# Altium PCB kunkun.PcbDoc (part 1 of 8) (continued)
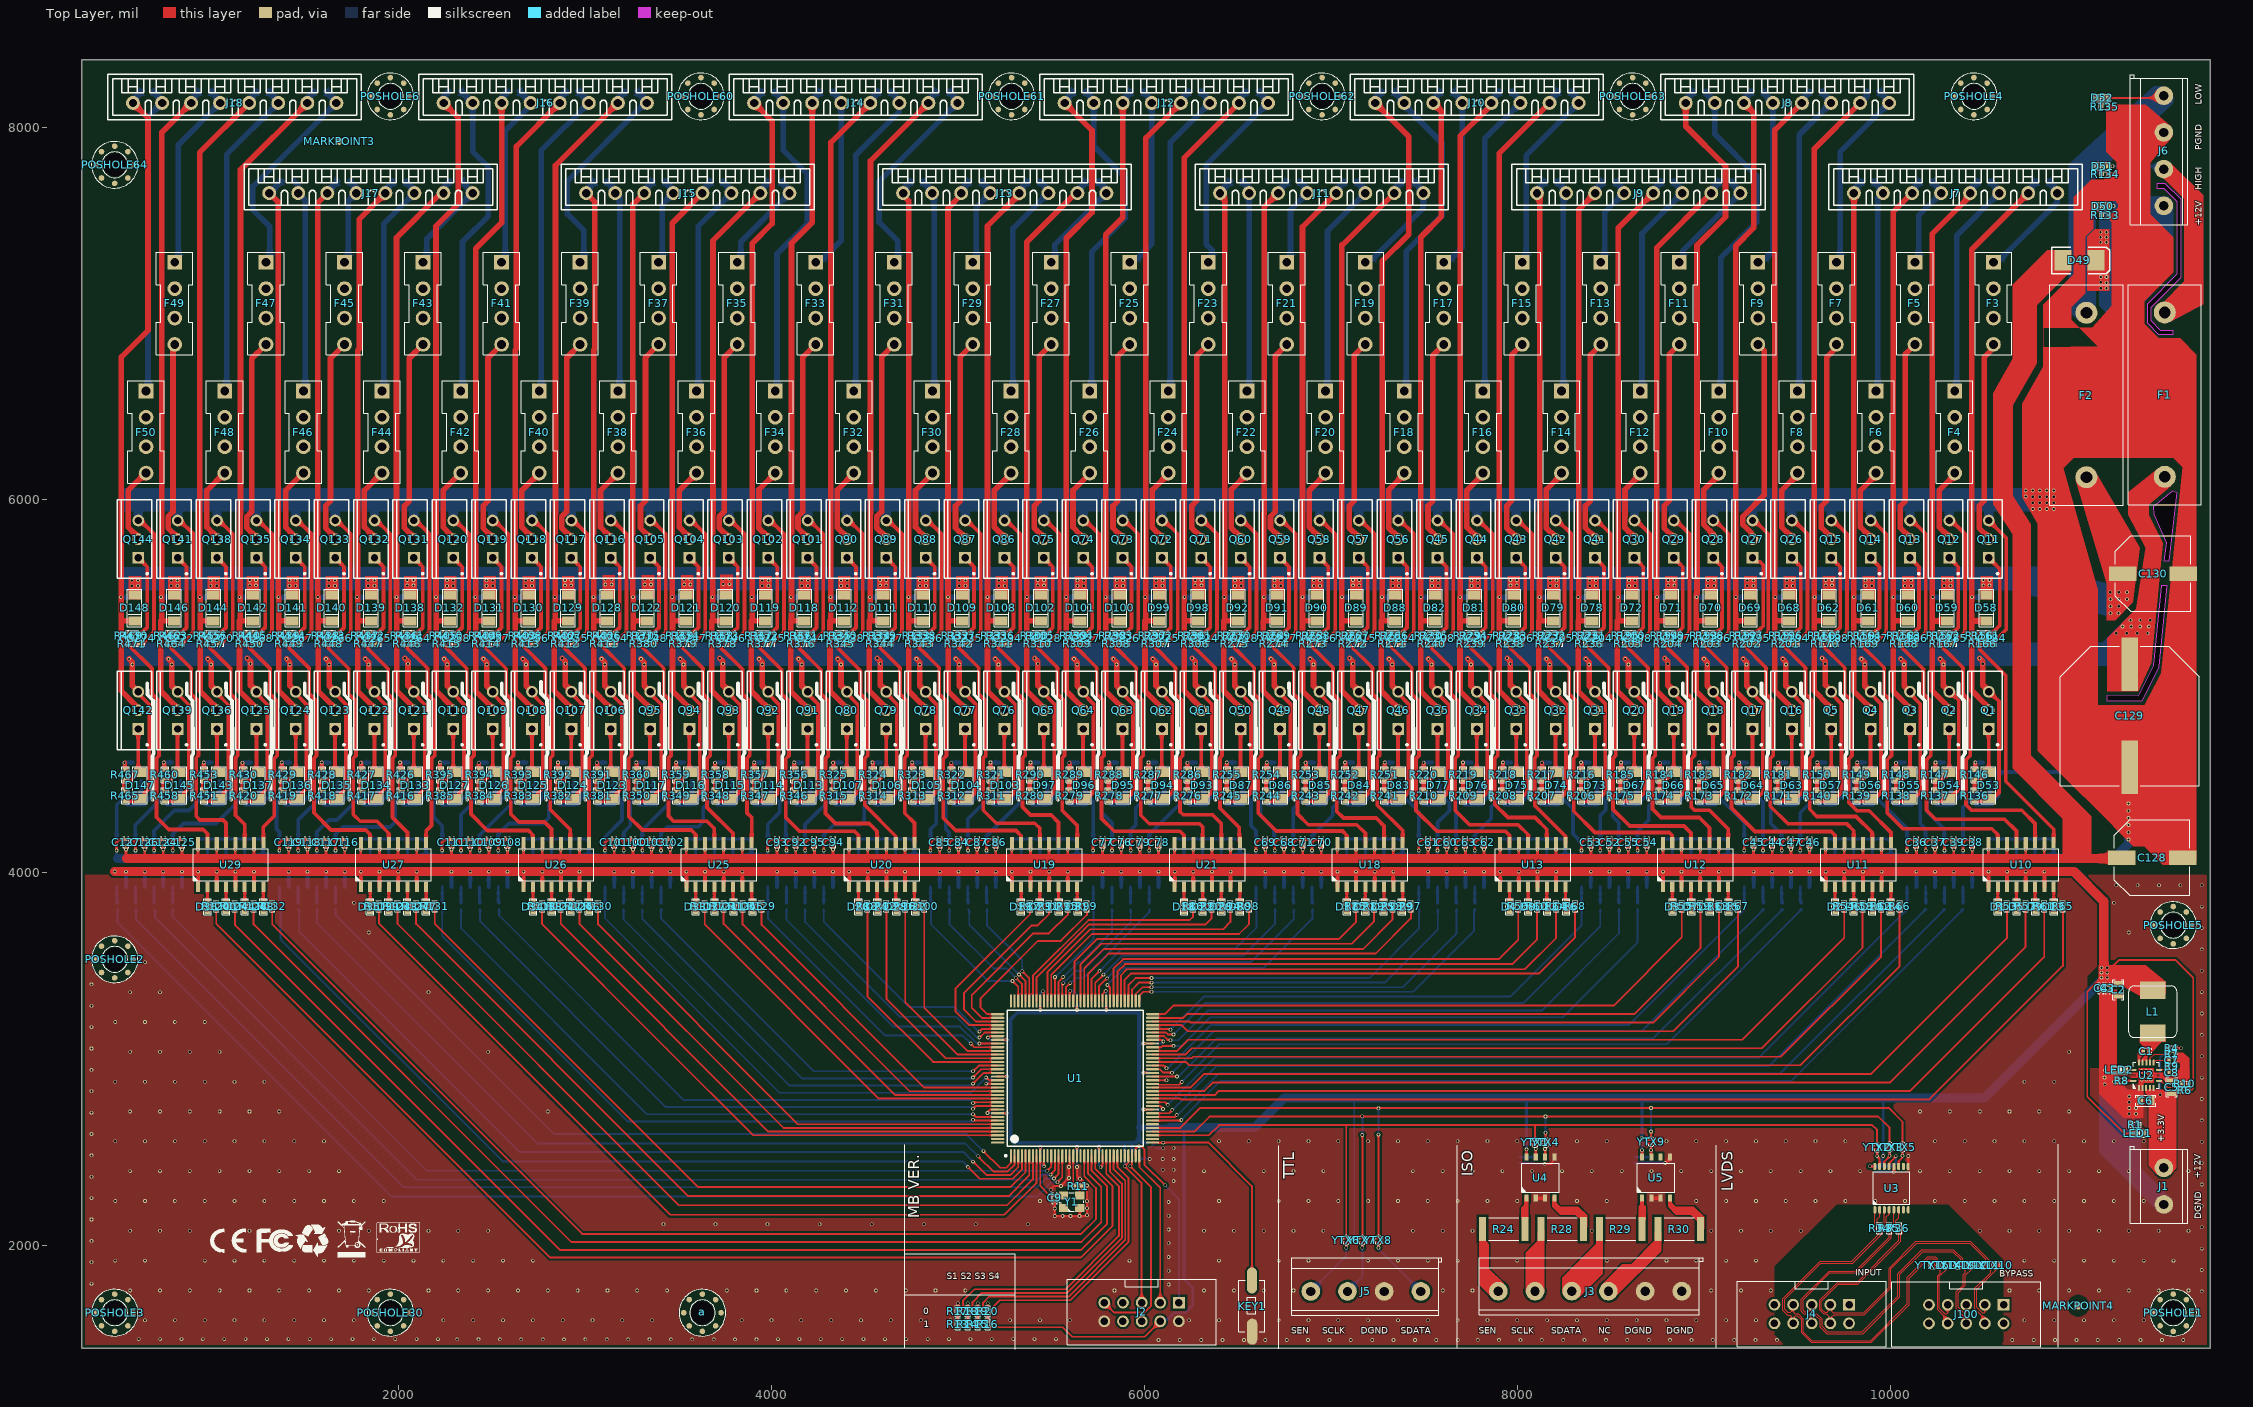
[diagram p0: Top Layer view]
## Components (designator, comment, footprint, x,y, rotation, side; value= is the part's Value field where it differs from the comment) (continued)
C263 "C-NOMO" C0603 1259.44,4394.18 r90 bottom value=1nF
C264 "C-NOMO" C0603 2097.57,5258.89 r90 top value=1nF
C265 "C-NOMO" C0603 1886.3,5258.89 r90 top value=1nF
C266 "C-NOMO" C0603 1675.02,5258.89 r90 top value=1nF
C267 "C-NOMO" C0603 1463.74,5258.89 r90 top value=1nF
C268 "C-NOMO" C0603 1252.47,5258.89 r90 top value=1nF
C269 "C-NOMO" C0603 1048.49,4394.18 r90 bottom value=1nF
C270 "C-NOMO" C0603 1041.19,5258.89 r90 top value=1nF
C271 "C-NOMO" C0603 837.53,4394.18 r90 bottom value=1nF
C272 "C-NOMO" C0603 829.91,5258.89 r90 top value=1nF
C273 "C-NOMO" C0603 626.57,4394.18 r90 bottom value=1nF
C274 "C-NOMO" C0603 618.64,5258.89 r90 top value=1nF
D1 "LED" LED0603 10578.65,3819 r90 top
D2 "LED" LED0603 9705.87,3819 r90 top
D3 "LED" LED0603 8834.25,3819 r90 top
D4 "LED" LED0603 7957.48,3819 r90 top
D5 "LED" LED0603 10678.65,3819 r90 top
D6 "LED" LED0603 9804.87,3819 r90 top
D7 "LED" LED0603 8934.25,3819 r90 top
D8 "LED" LED0603 8059.15,3819 r90 top
D9 "LED" LED0603 10778.65,3819 r90 top
D10 "LED" LED0603 9903.87,3819 r90 top
D11 "LED" LED0603 9034.25,3819 r90 top
D12 "LED" LED0603 8160.81,3819 r90 top
D13 "LED" LED0603 10878.65,3819 r90 top
D14 "LED" LED0603 10002.87,3819 r90 top
D15 "LED" LED0603 9134.25,3819 r90 top
D16 "LED" LED0603 8262.48,3819 r90 top
D17 "LED" LED0603 7086.79,3819 r90 top
D18 "LED" LED0603 6213.44,3819 r90 top
D19 "LED" LED0603 5338.88,3819 r90 top
D20 "LED" LED0603 4466.69,3819 r90 top
D21 "LED" LED0603 7185.12,3819 r90 top
D22 "LED" LED0603 6313.44,3819 r90 top
D23 "LED" LED0603 5440.54,3819 r90 top
D24 "LED" LED0603 4568.35,3819 r90 top
D25 "LED" LED0603 7283.46,3819 r90 top
D26 "LED" LED0603 6413.44,3819 r90 top
D27 "LED" LED0603 5542.21,3819 r90 top
D28 "LED" LED0603 4670.02,3819 r90 top
D29 "LED" LED0603 7381.79,3819 r90 top
D30 "LED" LED0603 6513.44,3819 r90 top
D31 "LED" LED0603 5643.88,3819 r90 top
D32 "LED" LED0603 4771.69,3819 r90 top
D33 "LED" LED0603 3594.03,3819 r90 top
D34 "LED" LED0603 2721.95,3819 r90 top
D35 "LED" LED0603 1846.38,3819 r90 top
D36 "LED" LED0603 974.43,3819 r90 top
D37 "LED" LED0603 3695.7,3819 r90 top
D38 "LED" LED0603 2821.95,3819 r90 top
D39 "LED" LED0603 1946.38,3819 r90 top
D40 "LED" LED0603 1074.43,3819 r90 top
D41 "LED" LED0603 3797.36,3819 r90 top
D42 "LED" LED0603 2921.95,3819 r90 top
D43 "LED" LED0603 2046.38,3819 r90 top
D44 "LED" LED0603 1174.43,3819 r90 top
D45 "LED" LED0603 3899.03,3819 r90 top
D46 "LED" LED0603 3021.95,3819 r90 top
D47 "LED" LED0603 2146.39,3819 r90 top
D48 "LED" LED0603 1274.43,3819 r90 top
D49 "FM4007" FM4007-T(A7) 10865.55,7355.37 r270 top
D50 "LED" LED0603 11139.67,7576.27 r0 top
D51 "LED" LED0603 11139,7790.29 r0 top
D52 "LED" LED0603 11138.17,8156.29 r0 top
D53 "1N4148" 1N4148 10528.1,4469.36 r180 top
D54 "1N4148" 1N4148 10317.16,4469.36 r180 top
D55 "1N4148" 1N4148 10106.22,4469.36 r180 top
D56 "1N4148" 1N4148 9895.27,4469.36 r180 top
D57 "1N4148" 1N4148 9684.33,4469.36 r180 top
D58 "1N4007" 1N4148 10516.73,5421.07 r180 top
D59 "1N4007" 1N4148 10305.4,5421.07 r180 top
D60 "1N4007" 1N4148 10094.07,5421.07 r180 top
D61 "1N4007" 1N4148 9882.74,5421.07 r180 top
D62 "1N4007" 1N4148 9671.41,5421.07 r180 top
D63 "1N4148" 1N4148 9473.39,4469.36 r180 top
D64 "1N4148" 1N4148 9262.45,4469.36 r180 top
D65 "1N4148" 1N4148 9051.51,4469.36 r180 top
D66 "1N4148" 1N4148 8840.57,4469.36 r180 top
D67 "1N4148" 1N4148 8629.63,4469.36 r180 top
D68 "1N4007" 1N4148 9460.08,5421.07 r180 top
D69 "1N4007" 1N4148 9248.75,5421.07 r180 top
D70 "1N4007" 1N4148 9037.42,5421.07 r180 top
D71 "1N4007" 1N4148 8826.08,5421.07 r180 top
D72 "1N4007" 1N4148 8614.75,5421.07 r180 top
D73 "1N4148" 1N4148 8418.69,4469.36 r180 top
D74 "1N4148" 1N4148 8207.74,4469.36 r180 top
D75 "1N4148" 1N4148 7996.8,4469.36 r180 top
D76 "1N4148" 1N4148 7785.86,4469.36 r180 top
D77 "1N4148" 1N4148 7574.92,4469.36 r180 top
D78 "1N4007" 1N4148 8403.42,5421.07 r180 top
D79 "1N4007" 1N4148 8192.09,5421.07 r180 top
D80 "1N4007" 1N4148 7980.76,5421.07 r180 top
D81 "1N4007" 1N4148 7769.43,5421.07 r180 top
D82 "1N4007" 1N4148 7558.1,5421.07 r180 top
D83 "1N4148" 1N4148 7363.98,4469.36 r180 top
D84 "1N4148" 1N4148 7153.04,4469.36 r180 top
D85 "1N4148" 1N4148 6942.1,4469.36 r180 top
D86 "1N4148" 1N4148 6731.15,4469.36 r180 top
D87 "1N4148" 1N4148 6520.21,4469.36 r180 top
D88 "1N4007" 1N4148 7346.77,5421.07 r180 top
D89 "1N4007" 1N4148 7135.44,5421.07 r180 top
D90 "1N4007" 1N4148 6924.1,5421.07 r180 top
D91 "1N4007" 1N4148 6712.77,5421.07 r180 top
D92 "1N4007" 1N4148 6501.44,5421.07 r180 top
D93 "1N4148" 1N4148 6309.27,4469.36 r180 top
D94 "1N4148" 1N4148 6098.33,4469.36 r180 top
D95 "1N4148" 1N4148 5887.39,4469.36 r180 top
D96 "1N4148" 1N4148 5676.45,4469.36 r180 top
D97 "1N4148" 1N4148 5465.51,4469.36 r180 top
D98 "1N4007" 1N4148 6290.11,5421.07 r180 top
D99 "1N4007" 1N4148 6078.78,5421.07 r180 top
D100 "1N4007" 1N4148 5867.45,5421.07 r180 top
D101 "1N4007" 1N4148 5656.12,5421.07 r180 top
D102 "1N4007" 1N4148 5444.79,5421.07 r180 top
D103 "1N4148" 1N4148 5254.56,4469.36 r180 top
D104 "1N4148" 1N4148 5043.62,4469.36 r180 top
D105 "1N4148" 1N4148 4832.68,4469.36 r180 top
D106 "1N4148" 1N4148 4621.74,4469.36 r180 top
D107 "1N4148" 1N4148 4410.8,4469.36 r180 top
D108 "1N4007" 1N4148 5233.46,5421.07 r180 top
D109 "1N4007" 1N4148 5022.13,5421.07 r180 top
D110 "1N4007" 1N4148 4810.8,5421.07 r180 top
D111 "1N4007" 1N4148 4599.46,5421.07 r180 top
D112 "1N4007" 1N4148 4388.13,5421.07 r180 top
D113 "1N4148" 1N4148 4199.86,4469.36 r180 top
D114 "1N4148" 1N4148 3988.92,4469.36 r180 top
D115 "1N4148" 1N4148 3777.97,4469.36 r180 top
D116 "1N4148" 1N4148 3567.03,4469.36 r180 top
D117 "1N4148" 1N4148 3356.09,4469.36 r180 top
D118 "1N4007" 1N4148 4176.8,5421.07 r180 top
D119 "1N4007" 1N4148 3965.47,5421.07 r180 top
D120 "1N4007" 1N4148 3754.14,5421.07 r180 top
D121 "1N4007" 1N4148 3542.81,5421.07 r180 top
D122 "1N4007" 1N4148 3331.48,5421.07 r180 top
D123 "1N4148" 1N4148 3145.15,4469.36 r180 top
D124 "1N4148" 1N4148 2934.21,4469.36 r180 top
D125 "1N4148" 1N4148 2723.27,4469.36 r180 top
D126 "1N4148" 1N4148 2512.33,4469.36 r180 top
D127 "1N4148" 1N4148 2301.38,4469.36 r180 top
D128 "1N4007" 1N4148 3120.15,5421.07 r180 top
D129 "1N4007" 1N4148 2908.82,5421.07 r180 top
D130 "1N4007" 1N4148 2697.49,5421.07 r180 top
D131 "1N4007" 1N4148 2486.15,5421.07 r180 top
D132 "1N4007" 1N4148 2274.82,5421.07 r180 top
D133 "1N4148" 1N4148 2090.44,4469.36 r180 top
D134 "1N4148" 1N4148 1879.5,4469.36 r180 top
D135 "1N4148" 1N4148 1668.56,4469.36 r180 top
D136 "1N4148" 1N4148 1457.62,4469.36 r180 top
D137 "1N4148" 1N4148 1246.68,4469.36 r180 top
D138 "1N4007" 1N4148 2063.49,5421.07 r180 top
D139 "1N4007" 1N4148 1852.16,5421.07 r180 top
D140 "1N4007" 1N4148 1640.83,5421.07 r180 top
D141 "1N4007" 1N4148 1429.5,5421.07 r180 top
D142 "1N4007" 1N4148 1218.17,5421.07 r180 top
D143 "1N4148" 1N4148 1035.74,4469.36 r180 top
D144 "1N4007" 1N4148 1006.84,5421.07 r180 top
D145 "1N4148" 1N4148 824.79,4469.36 r180 top
D146 "1N4007" 1N4148 795.51,5421.07 r180 top
D147 "1N4148" 1N4148 613.85,4469.36 r180 top
D148 "1N4007" 1N4148 584.17,5421.07 r180 top
F1 "F50" F-TH2 11472.87,6565 r270 top
F2 "F50" F-TH2 11052.59,6562.84 r270 top
F3 "F50" F-TH 10553.97,7054.4 r270 top
F4 "F50" F-TH 10346.1,6364.11 r270 top
F5 "F50" F-TH 10132.83,7054.4 r270 top
F6 "F50" F-TH 9924.34,6364.11 r270 top
F7 "F50" F-TH 9711.69,7054.4 r270 top
F8 "F50" F-TH 9502.58,6364.11 r270 top
F9 "F50" F-TH 9290.54,7054.4 r270 top
F10 "F50" F-TH 9080.83,6364.11 r270 top
F11 "F50" F-TH 8869.4,7054.4 r270 top
F12 "F50" F-TH 8659.07,6364.11 r270 top
F13 "F50" F-TH 8448.26,7054.4 r270 top
F14 "F50" F-TH 8237.31,6364.11 r270 top
F15 "F50" F-TH 8027.11,7054.4 r270 top
F16 "F50" F-TH 7815.55,6364.11 r270 top
F17 "F50" F-TH 7605.97,7054.4 r270 top
F18 "F50" F-TH 7393.79,6364.11 r270 top
F19 "F50" F-TH 7184.83,7054.4 r270 top
F20 "F50" F-TH 6972.03,6364.11 r270 top
F21 "F50" F-TH 6763.68,7054.4 r270 top
F22 "F50" F-TH 6550.28,6364.11 r270 top
F23 "F50" F-TH 6342.54,7054.4 r270 top
F24 "F50" F-TH 6128.52,6364.11 r270 top
F25 "F50" F-TH 5921.4,7054.4 r270 top
F26 "F50" F-TH 5706.76,6364.11 r270 top
F27 "F50" F-TH 5500.25,7054.4 r270 top
F28 "F50" F-TH 5285,6364.11 r270 top
F29 "F50" F-TH 5079.11,7054.4 r270 top
F30 "F50" F-TH 4863.24,6364.11 r270 top
F31 "F50" F-TH 4657.97,7054.4 r270 top
F32 "F50" F-TH 4441.49,6364.11 r270 top
F33 "F50" F-TH 4236.83,7054.4 r270 top
F34 "F50" F-TH 4019.73,6364.11 r270 top
F35 "F50" F-TH 3815.68,7054.4 r270 top
F36 "F50" F-TH 3597.97,6364.11 r270 top
F37 "F50" F-TH 3394.54,7054.4 r270 top
F38 "F50" F-TH 3176.21,6364.11 r270 top
F39 "F50" F-TH 2973.4,7054.4 r270 top
F40 "F50" F-TH 2754.45,6364.11 r270 top
F41 "F50" F-TH 2552.25,7054.4 r270 top
F42 "F50" F-TH 2332.69,6364.11 r270 top
F43 "F50" F-TH 2131.11,7054.4 r270 top
F44 "F50" F-TH 1910.94,6364.11 r270 top
F45 "F50" F-TH 1709.97,7054.4 r270 top
F46 "F50" F-TH 1489.18,6364.11 r270 top
F47 "F50" F-TH 1288.82,7054.4 r270 top
F48 "F50" F-TH 1067.42,6364.11 r270 top
F49 "F50" F-TH 799.01,7054.4 r270 top
F50 "F50" F-TH 645.66,6364.11 r270 top
J1 "HDR1X2" KF301-5.0-2P 11468.28,2319.61 r90 top
J2 "HDR2X5" HDR2X5-NJ 5985.24,1644.55 r180 top
J3 "HDR1X6" KF301-5.0-6P 8390.49,1756.03 r0 top
J4 "DIFF" HDR2X5-NJ 9579.47,1633.81 r180 top
J5 "TTL" KF301-5.0-4P 7187.76,1754.83 r0 top
J6 "HDR1X4" KF301-5.0-4P 11468.28,7872.89 r90 top
J7 "HDR1X8" HDR1X8 11148.5,5907.75 r180 top
J8 "HDR1X8" HDR1X8 10246.49,6391.21 r180 top
J9 "HDR1X8" HDR1X8 9448.52,5907.75 r180 top
J10 "HDR1X8" HDR1X8 8580.82,6391.21 r180 top
J11 "HDR1X8" HDR1X8 7748.54,5907.75 r180 top
J12 "HDR1X8" HDR1X8 6915.15,6391.21 r180 top
J13 "HDR1X8" HDR1X8 6048.56,5907.75 r180 top
J14 "HDR1X8" HDR1X8 5249.49,6391.21 r180 top
J15 "HDR1X8" HDR1X8 4348.58,5907.75 r180 top
J16 "HDR1X8" HDR1X8 3583.82,6391.21 r180 top
J17 "HDR1X8" HDR1X8 2648.6,5907.75 r180 top
J18 "HDR1X8" HDR1X8 1918.16,6391.21 r180 top
J100 "DIFF" HDR2X5-NJ 10408.26,1632.89 r180 top
KEY1 "KEY" KEY735SO 6576.12,1676.61 r90 top
L1 "L" FXL0624 11408.72,3255.52 r90 top value=3.3uH
LED1 "LED" LED0603 11329.07,2602.43 r180 top
LED2 "LED" LED0603 11229.91,2942.8 r0 top
MARKPOINT1 "MARKPOINT" MARKPOINT-1.0#1 10796.54,7975.08 r90 bottom
MARKPOINT2 "MARKPOINT" MARKPOINT-1.0#1 781.94,1975.62 r90 bottom
MARKPOINT3 "MARKPOINT" MARKPOINT-1.0#2 1680.86,7924.26 r90 top
MARKPOINT4 "MARKPOINT" MARKPOINT-1.0#2 11008.89,1677.8 r90 top
POSHOLE1 "POSHOLE" POSHOLE-3.2 11518.47,1640.57 r90 top
POSHOLE2 "POSHOLE" POSHOLE-3.2 477.12,3536.24 r90 top
POSHOLE3 "POSHOLE" POSHOLE-3.2 477.12,1640.57 r90 top
POSHOLE4 "POSHOLE" POSHOLE-3.2 10449.45,8165 r90 top
POSHOLE5 "POSHOLE" POSHOLE-3.2 11518.47,3719.29 r90 top
POSHOLE6 "POSHOLE" POSHOLE-3.2 1956.19,8165 r90 top
POSHOLE30 "POSHOLE" POSHOLE-3.2 1956.19,1640.57 r90 top (schematic designator POSHOLE3)
POSHOLE60 "POSHOLE" POSHOLE-3.2 3621.86,8165 r90 top (schematic designator POSHOLE6)
POSHOLE61 "POSHOLE" POSHOLE-3.2 5287.52,8165 r90 top (schematic designator POSHOLE6)
POSHOLE62 "POSHOLE" POSHOLE-3.2 6953.19,8165 r90 top (schematic designator POSHOLE6)
POSHOLE63 "POSHOLE" POSHOLE-3.2 8618.85,8165 r90 top (schematic designator POSHOLE6)
POSHOLE64 "POSHOLE" POSHOLE-3.2 477.12,7797.62 r90 top (schematic designator POSHOLE6)
Q1 "IRF9640" TO-220AB 10528.84,4871.57 r90 top
Q2 "IRF9640" TO-220AB 10317.67,4871.57 r90 top
Q3 "IRF9640" TO-220AB 10106.5,4871.57 r90 top
Q4 "IRF9640" TO-220AB 9895.33,4871.57 r90 top
Q5 "IRF9640" TO-220AB 9684.16,4871.57 r90 top
Q6 "ZVN3320F" ZVN3320F 10537,4493.59 r180 bottom
Q7 "ZVN3320F" ZVN3320F 10326,4493.59 r180 bottom
Q8 "ZVN3320F" ZVN3320F 10115,4493.59 r180 bottom
Q9 "ZVN3320F" ZVN3320F 9904,4493.59 r180 bottom
Q10 "ZVN3320F" ZVN3320F 9693,4493.59 r180 bottom
Q11 "IRF640N" TO-220AB 10528.84,5789.64 r90 top
Q12 "IRF640N" TO-220AB 10317.67,5789.64 r90 top
Q13 "IRF640N" TO-220AB 10106.5,5789.64 r90 top
Q14 "IRF640N" TO-220AB 9895.33,5789.64 r90 top
Q15 "IRF640N" TO-220AB 9684.16,5789.64 r90 top
Q16 "IRF9640" TO-220AB 9472.99,4871.57 r90 top
Q17 "IRF9640" TO-220AB 9261.82,4871.57 r90 top
Q18 "IRF9640" TO-220AB 9050.65,4871.57 r90 top
Q19 "IRF9640" TO-220AB 8839.48,4871.57 r90 top
Q20 "IRF9640" TO-220AB 8628.31,4871.57 r90 top
Q21 "ZVN3320F" ZVN3320F 9482,4493.59 r180 bottom
Q22 "ZVN3320F" ZVN3320F 9271,4493.59 r180 bottom
Q23 "ZVN3320F" ZVN3320F 9060,4493.59 r180 bottom
Q24 "ZVN3320F" ZVN3320F 8849,4493.59 r180 bottom
Q25 "ZVN3320F" ZVN3320F 8638,4493.59 r180 bottom
Q26 "IRF640N" TO-220AB 9472.99,5789.64 r90 top
Q27 "IRF640N" TO-220AB 9261.82,5789.64 r90 top
Q28 "IRF640N" TO-220AB 9050.65,5789.64 r90 top
Q29 "IRF640N" TO-220AB 8839.48,5789.64 r90 top
Q30 "IRF640N" TO-220AB 8628.31,5789.64 r90 top
Q31 "IRF9640" TO-220AB 8417.14,4871.57 r90 top
Q32 "IRF9640" TO-220AB 8205.97,4871.57 r90 top
Q33 "IRF9640" TO-220AB 7994.8,4871.57 r90 top
Q34 "IRF9640" TO-220AB 7783.63,4871.57 r90 top
Q35 "IRF9640" TO-220AB 7572.46,4871.57 r90 top
Q36 "ZVN3320F" ZVN3320F 8427,4493.59 r180 bottom
Q37 "ZVN3320F" ZVN3320F 8216,4493.59 r180 bottom
Q38 "ZVN3320F" ZVN3320F 8005,4493.59 r180 bottom
Q39 "ZVN3320F" ZVN3320F 7794,4493.59 r180 bottom
Q40 "ZVN3320F" ZVN3320F 7583,4493.59 r180 bottom
Q41 "IRF640N" TO-220AB 8417.14,5789.64 r90 top
Q42 "IRF640N" TO-220AB 8205.97,5789.64 r90 top
Q43 "IRF640N" TO-220AB 7994.8,5789.64 r90 top
Q44 "IRF640N" TO-220AB 7783.63,5789.64 r90 top
Q45 "IRF640N" TO-220AB 7572.46,5789.64 r90 top
Q46 "IRF9640" TO-220AB 7361.29,4871.57 r90 top
Q47 "IRF9640" TO-220AB 7150.12,4871.57 r90 top
Q48 "IRF9640" TO-220AB 6938.95,4871.57 r90 top
Q49 "IRF9640" TO-220AB 6727.78,4871.57 r90 top
Q50 "IRF9640" TO-220AB 6516.61,4871.57 r90 top
Q51 "ZVN3320F" ZVN3320F 7372,4493.59 r180 bottom
Q52 "ZVN3320F" ZVN3320F 7161,4493.59 r180 bottom
Q53 "ZVN3320F" ZVN3320F 6950,4493.59 r180 bottom
Q54 "ZVN3320F" ZVN3320F 6739,4493.59 r180 bottom
Q55 "ZVN3320F" ZVN3320F 6528,4493.59 r180 bottom
Q56 "IRF640N" TO-220AB 7361.29,5789.64 r90 top
Q57 "IRF640N" TO-220AB 7150.12,5789.64 r90 top
Q58 "IRF640N" TO-220AB 6938.95,5789.64 r90 top
Q59 "IRF640N" TO-220AB 6727.78,5789.64 r90 top
Q60 "IRF640N" TO-220AB 6516.61,5789.64 r90 top
Q61 "IRF9640" TO-220AB 6305.44,4871.57 r90 top
Q62 "IRF9640" TO-220AB 6094.27,4871.57 r90 top
Q63 "IRF9640" TO-220AB 5883.1,4871.57 r90 top
Q64 "IRF9640" TO-220AB 5671.93,4871.57 r90 top
Q65 "IRF9640" TO-220AB 5460.76,4871.57 r90 top
Q66 "ZVN3320F" ZVN3320F 6317,4493.59 r180 bottom
Q67 "ZVN3320F" ZVN3320F 6106,4493.59 r180 bottom
Q68 "ZVN3320F" ZVN3320F 5895,4493.59 r180 bottom
Q69 "ZVN3320F" ZVN3320F 5684,4493.59 r180 bottom
Q70 "ZVN3320F" ZVN3320F 5473,4493.59 r180 bottom
Q71 "IRF640N" TO-220AB 6305.44,5789.64 r90 top
Q72 "IRF640N" TO-220AB 6094.27,5789.64 r90 top
Q73 "IRF640N" TO-220AB 5883.1,5789.64 r90 top
Q74 "IRF640N" TO-220AB 5671.93,5789.64 r90 top
Q75 "IRF640N" TO-220AB 5460.76,5789.64 r90 top
Q76 "IRF9640" TO-220AB 5249.59,4871.57 r90 top
Q77 "IRF9640" TO-220AB 5038.42,4871.57 r90 top
Q78 "IRF9640" TO-220AB 4827.25,4871.57 r90 top
Q79 "IRF9640" TO-220AB 4616.08,4871.57 r90 top
Q80 "IRF9640" TO-220AB 4404.91,4871.57 r90 top
Q81 "ZVN3320F" ZVN3320F 5262,4493.59 r180 bottom
Q82 "ZVN3320F" ZVN3320F 5051,4493.59 r180 bottom
Q83 "ZVN3320F" ZVN3320F 4840,4493.59 r180 bottom
Q84 "ZVN3320F" ZVN3320F 4629,4493.59 r180 bottom
Q85 "ZVN3320F" ZVN3320F 4418,4493.59 r180 bottom
Q86 "IRF640N" TO-220AB 5249.59,5789.64 r90 top
Q87 "IRF640N" TO-220AB 5038.42,5789.64 r90 top
Q88 "IRF640N" TO-220AB 4827.25,5789.64 r90 top
Q89 "IRF640N" TO-220AB 4616.08,5789.64 r90 top
Q90 "IRF640N" TO-220AB 4404.91,5789.64 r90 top
Q91 "IRF9640" TO-220AB 4193.74,4871.57 r90 top
Q92 "IRF9640" TO-220AB 3982.57,4871.57 r90 top
Q93 "IRF9640" TO-220AB 3771.4,4871.57 r90 top
Q94 "IRF9640" TO-220AB 3560.23,4871.57 r90 top
Q95 "IRF9640" TO-220AB 3349.05,4871.57 r90 top
Q96 "ZVN3320F" ZVN3320F 4207,4493.59 r180 bottom
Q97 "ZVN3320F" ZVN3320F 3996,4493.59 r180 bottom
Q98 "ZVN3320F" ZVN3320F 3785,4493.59 r180 bottom
Q99 "ZVN3320F" ZVN3320F 3574,4493.59 r180 bottom
Q100 "ZVN3320F" ZVN3320F 3363,4493.59 r180 bottom
Q101 "IRF640N" TO-220AB 4193.74,5789.64 r90 top
Q102 "IRF640N" TO-220AB 3982.57,5789.64 r90 top
Q103 "IRF640N" TO-220AB 3771.4,5789.64 r90 top
Q104 "IRF640N" TO-220AB 3560.23,5789.64 r90 top
Q105 "IRF640N" TO-220AB 3349.05,5789.64 r90 top
Q106 "IRF9640" TO-220AB 3137.88,4871.57 r90 top
Q107 "IRF9640" TO-220AB 2926.71,4871.57 r90 top
Q108 "IRF9640" TO-220AB 2715.54,4871.57 r90 top
Q109 "IRF9640" TO-220AB 2504.37,4871.57 r90 top
Q110 "IRF9640" TO-220AB 2293.2,4871.57 r90 top
Q111 "ZVN3320F" ZVN3320F 3152,4493.59 r180 bottom
Q112 "ZVN3320F" ZVN3320F 2941,4493.59 r180 bottom
Q113 "ZVN3320F" ZVN3320F 2730,4493.59 r180 bottom
Q114 "ZVN3320F" ZVN3320F 2519,4493.59 r180 bottom
Q115 "ZVN3320F" ZVN3320F 2308,4493.59 r180 bottom
Q116 "IRF640N" TO-220AB 3137.88,5789.64 r90 top
Q117 "IRF640N" TO-220AB 2926.71,5789.64 r90 top
Q118 "IRF640N" TO-220AB 2715.54,5789.64 r90 top
Q119 "IRF640N" TO-220AB 2504.37,5789.64 r90 top
Q120 "IRF640N" TO-220AB 2293.2,5789.64 r90 top
Q121 "IRF9640" TO-220AB 2082.03,4871.57 r90 top
Q122 "IRF9640" TO-220AB 1870.86,4871.57 r90 top
Q123 "IRF9640" TO-220AB 1659.69,4871.57 r90 top
Q124 "IRF9640" TO-220AB 1448.52,4871.57 r90 top
Q125 "IRF9640" TO-220AB 1237.35,4871.57 r90 top
Q126 "ZVN3320F" ZVN3320F 2097,4493.59 r180 bottom
Q127 "ZVN3320F" ZVN3320F 1886,4493.59 r180 bottom
Q128 "ZVN3320F" ZVN3320F 1675,4493.59 r180 bottom
Q129 "ZVN3320F" ZVN3320F 1464,4493.59 r180 bottom
Q130 "ZVN3320F" ZVN3320F 1253,4493.59 r180 bottom
Q131 "IRF640N" TO-220AB 2082.03,5789.64 r90 top
Q132 "IRF640N" TO-220AB 1870.86,5789.64 r90 top
Q133 "IRF640N" TO-220AB 1659.69,5789.64 r90 top
Q134 "IRF640N" TO-220AB 1448.52,5789.64 r90 top
Q135 "IRF640N" TO-220AB 1237.35,5789.64 r90 top
Q136 "IRF9640" TO-220AB 1026.18,4871.57 r90 top
Q137 "ZVN3320F" ZVN3320F 1042,4493.59 r180 bottom
Q138 "IRF640N" TO-220AB 1026.18,5789.64 r90 top
Q139 "IRF9640" TO-220AB 815.01,4871.57 r90 top
Q140 "ZVN3320F" ZVN3320F 831,4493.59 r180 bottom
Q141 "IRF640N" TO-220AB 815.01,5789.64 r90 top
Q142 "IRF9640" TO-220AB 603.84,4871.57 r90 top
Q143 "ZVN3320F" ZVN3320F 620,4493.59 r180 bottom
Q144 "IRF640N" TO-220AB 603.84,5789.64 r90 top
R1 "R" R0402 11315.9,2649.6 r180 top value=1K
R2 "R" R0402 5894.24,2482.2 r90 bottom value=1K
R3 "R" R0402 5933.61,2482.2 r90 bottom value=1K
R4 "R" R0402 11510.83,3059.26 r0 top value=35.7K
R5 "R" R0402 5972.98,2482.2 r90 bottom value=1K
R6 "R" R0402 11579,2835.02 r0 top value=31.6K
R7 "R" R0402 11510.83,3026.67 r180 top value=8.06K
R8 "R" R0402 11242.2,2884.56 r0 top value=100K
R9 "R" R0402 11510.83,2961.49 r180 top value=1.69K
R10 "R" R0402 11579,2867.61 r180 top value=10K
R11 "R" R0402 5645.07,2319.91 r180 top value=22R
R12 "R" R0402 6043.84,2553.07 r180 bottom value=1K
R13 "R" R0402 4999.38,1578.14 r270 top value=1K
R14 "R" R0402 5052.92,1578.14 r270 top value=1K
R15 "R" R0402 5106.47,1578.14 r270 top value=1K
R16 "R" R0402 5160.01,1578.14 r270 top value=1K
R17 "R" R0402 4999.38,1648.57 r270 top value=1K
R18 "R" R0402 5052.92,1648.57 r270 top value=1K
R19 "R" R0402 5106.47,1648.57 r270 top value=1K
R20 "R" R0402 5160.01,1648.57 r270 top value=1K
R21 "R" R0402 8095.29,2553.85 r90 bottom value=1K
R22 "R" R0402 8151.79,2553.85 r90 bottom value=1K
R23 "R" R0402 8717.35,2562.47 r90 bottom value=1K
R24 "R" R2512 7927.35,2089.56 r0 top value=2.4K
R25 "R" R0402 9929.93,2528.29 r90 bottom value=1K
R26 "R" R0402 9997.02,2529.35 r90 bottom value=1K
R27 "R" R0402 10066.17,2529.34 r90 bottom value=1K
R28 "R" R2512 8241.38,2089.56 r0 top value=2.4K
R29 "R" R2512 8555.42,2089.56 r0 top value=2.4K
R30 "R" R2512 8869.45,2089.56 r0 top value=2.4K
R31 "R" R0402 7082.72,2029.91 r90 bottom value=1K
R32 "R" R0402 7168.99,2029.91 r90 bottom value=1K
R33 "R" R0402 7255.27,2029.91 r90 bottom value=1K
R34 "R" R0402 9943.15,2094.68 r90 top value=1K
R35 "R" R0402 9995.21,2094.68 r270 top value=1K
R36 "R" R0402 10047.27,2094.68 r90 top value=1K
R37 "R" R0402 10391.87,3821.05 r90 bottom value=100R
R38 "R" R0402 9525.32,3821.05 r90 bottom value=100R
R39 "R" R0402 8645.26,3821.05 r90 bottom value=100R
R40 "R" R0402 7773.44,3821.05 r90 bottom value=100R
R41 "R" R0402 10291.87,3821.05 r90 bottom value=100R
R42 "R" R0402 9423.66,3821.05 r90 bottom value=100R
R43 "R" R0402 8545.26,3821.05 r90 bottom value=100R
R44 "R" R0402 7673.44,3821.05 r90 bottom value=100R
R45 "R" R0402 10191.87,3821.05 r90 bottom value=100R
R46 "R" R0402 9321.99,3821.05 r90 bottom value=100R
R47 "R" R0402 8445.26,3821.05 r90 bottom value=100R
R48 "R" R0402 7573.44,3821.05 r90 bottom value=100R
R49 "R" R0402 10091.87,3821.05 r90 bottom value=100R
R50 "R" R0402 9220.32,3821.05 r90 bottom value=100R
R51 "R" R0402 8345.26,3821.05 r90 bottom value=100R
R52 "R" R0402 7473.44,3821.05 r90 bottom value=100R
R53 "R" R0402 10626.3,3819.85 r90 top value=100R
R54 "R" R0402 9753.51,3819.85 r90 top value=100R
R55 "R" R0402 8881.89,3819.85 r90 top value=100R
R56 "R" R0402 8005.12,3819.85 r90 top value=100R
R57 "R" R0402 10726.3,3819.85 r90 top value=100R
R58 "R" R0402 9852.51,3819.85 r90 top value=100R
R59 "R" R0402 8981.89,3819.85 r90 top value=100R
R60 "R" R0402 8106.79,3819.85 r90 top value=100R
R61 "R" R0402 10826.3,3819.85 r90 top value=100R
R62 "R" R0402 9951.51,3819.85 r90 top value=100R
R63 "R" R0402 9081.89,3819.85 r90 top value=100R
R64 "R" R0402 8208.12,3819.85 r90 top value=100R
R65 "R" R0402 10926.3,3819.85 r90 top value=100R
R66 "R" R0402 10050.51,3819.85 r90 top value=100R
R67 "R" R0402 9184.14,3819.85 r90 top value=100R
R68 "R" R0402 8310.12,3819.85 r90 top value=100R
R69 "R" R0402 6901.29,3821.05 r90 bottom value=100R
R70 "R" R0402 6026.59,3821.05 r90 bottom value=100R
R71 "R" R0402 5155.57,3821.05 r90 bottom value=100R
R72 "R" R0402 4280.44,3821.05 r90 bottom value=100R
R73 "R" R0402 6801.29,3821.05 r90 bottom value=100R
R74 "R" R0402 5926.59,3821.05 r90 bottom value=100R
R75 "R" R0402 5055.57,3821.05 r90 bottom value=100R
R76 "R" R0402 4180.44,3821.05 r90 bottom value=100R
R77 "R" R0402 6701.29,3821.05 r90 bottom value=100R
R78 "R" R0402 5826.59,3821.05 r90 bottom value=100R
R79 "R" R0402 4955.57,3821.05 r90 bottom value=100R
R80 "R" R0402 4080.44,3821.05 r90 bottom value=100R
R81 "R" R0402 6601.29,3821.05 r90 bottom value=100R
R82 "R" R0402 5727.56,3821.05 r90 bottom value=100R
R83 "R" R0402 4855.57,3821.05 r90 bottom value=100R
R84 "R" R0402 3980.44,3821.05 r90 bottom value=100R
R85 "R" R0402 7134.43,3819.85 r90 top value=100R
R86 "R" R0402 6261.08,3819.85 r90 top value=100R
R87 "R" R0402 5386.52,3819.85 r90 top value=100R
R88 "R" R0402 4514.33,3819.85 r90 top value=100R
R89 "R" R0402 7232.43,3819.85 r90 top value=100R
R90 "R" R0402 6360.82,3819.85 r90 top value=100R
R91 "R" R0402 5488.52,3819.85 r90 top value=100R
R92 "R" R0402 4616,3819.85 r90 top value=100R
R93 "R" R0402 7331.43,3819.85 r90 top value=100R
R94 "R" R0402 6461.08,3819.85 r90 top value=100R
R95 "R" R0402 5589.52,3819.85 r90 top value=100R
R96 "R" R0402 4717.66,3819.85 r90 top value=100R
R97 "R" R0402 7429.43,3819.85 r90 top value=100R
R98 "R" R0402 6561.08,3819.85 r90 top value=100R
R99 "R" R0402 5691.52,3819.85 r90 top value=100R
R100 "R" R0402 4819.33,3819.85 r90 top value=100R
R101 "R" R0402 3406.98,3821.05 r90 bottom value=100R
R102 "R" R0402 2538.9,3821.05 r90 bottom value=100R
R103 "R" R0402 1662.29,3821.05 r90 bottom value=100R
R104 "R" R0402 787.5,3821.05 r90 bottom value=100R
R105 "R" R0402 3306.98,3821.05 r90 bottom value=100R
R106 "R" R0402 2437.23,3821.05 r90 bottom value=100R
R107 "R" R0402 1562.29,3821.05 r90 bottom value=100R
R108 "R" R0402 689.16,3821.05 r90 bottom value=100R
R109 "R" R0402 3206.98,3821.05 r90 bottom value=100R
R110 "R" R0402 2335.57,3821.05 r90 bottom value=100R
R111 "R" R0402 1462.29,3821.05 r90 bottom value=100R
R112 "R" R0402 590.83,3821.05 r90 bottom value=100R
R113 "R" R0402 3106.98,3821.05 r90 bottom value=100R
R114 "R" R0402 2233.9,3821.05 r90 bottom value=100R
R115 "R" R0402 1362.29,3821.05 r90 bottom value=100R
R116 "R" R0402 492.5,3821.05 r90 bottom value=100R
R117 "R" R0402 3641.67,3819.85 r90 top value=100R
R118 "R" R0402 2769.59,3819.85 r90 top value=100R
R119 "R" R0402 1894.03,3819.85 r90 top value=100R
R120 "R" R0402 1022.07,3819.85 r90 top value=100R
R121 "R" R0402 3743.34,3819.85 r90 top value=100R
R122 "R" R0402 2869.59,3819.85 r90 top value=100R
R123 "R" R0402 1994.03,3819.85 r90 top value=100R
R124 "R" R0402 1122.07,3819.85 r90 top value=100R
R125 "R" R0402 3845.01,3819.85 r90 top value=100R
R126 "R" R0402 2969.59,3819.85 r90 top value=100R
R127 "R" R0402 2094.03,3819.85 r90 top value=100R
R128 "R" R0402 1222.07,3819.85 r90 top value=100R
R129 "R" R0402 3946.67,3819.85 r90 top value=100R
R130 "R" R0402 3069.59,3819.85 r90 top value=100R
R131 "R" R0402 2194.03,3819.85 r90 top value=100R
R132 "R" R0402 1322.07,3819.85 r90 top value=100R
R133 "R" R0402 11153.45,7525.77 r0 top value=4.7K
R134 "R" R0402 11152.56,7745.9 r0 top value=10K
R135 "R" R0402 11151.21,8110.28 r0 top value=10K
R136 "R" R0603 10453.87,4412.67 r270 top value=33K
R137 "R" R0603 10242.83,4412.67 r270 top value=33K
R138 "R" R0603 10031.79,4412.67 r270 top value=33K
R139 "R" R0603 9820.75,4412.67 r270 top value=33K
R140 "R" R0603 9609.72,4412.67 r270 top value=33K
R141 "R" R2512 10518.56,5364.81 r270 bottom value=47K
R142 "R" R2512 10307.3,5364.81 r270 bottom value=47K
R143 "R" R2512 10096.04,5364.81 r270 bottom value=47K
R144 "R" R2512 9884.77,5364.81 r270 bottom value=47K
R145 "R" R2512 9673.51,5364.81 r270 bottom value=47K
R146 "R" R0603 10453.79,4526.32 r90 top value=100K
R147 "R" R0603 10242.76,4526.32 r90 top value=100K
R148 "R" R0603 10031.72,4526.32 r90 top value=100K
R149 "R" R0603 9820.68,4526.32 r90 top value=100K
R150 "R" R0603 9609.65,4526.32 r90 top value=100K
R151 "R" R0603 10534.9,4394.18 r90 bottom value=10K
R152 "R" R0603 10249.76,4394.18 r90 bottom value=10K
R153 "R" R0603 10038.79,4394.18 r90 bottom value=10K
R154 "R" R0603 9827.82,4394.18 r90 bottom value=10K
R155 "R" R0603 9616.85,4394.18 r90 bottom value=10K
R156 "R" R0402 10481.76,5272.67 r90 top value=470
R157 "R" R0402 10270.51,5272.67 r90 top value=470
R158 "R" R0402 10059.26,5272.67 r90 top value=470
R159 "R" R0402 9848,5272.67 r90 top value=470
R160 "R" R0402 9636.75,5272.67 r90 top value=470
R161 "R" R0402 10512.89,5272.71 r90 top value=4.7K
R162 "R" R0402 10301.61,5272.71 r90 top value=4.7K
R163 "R" R0402 10090.33,5272.71 r90 top value=4.7K
R164 "R" R0402 9879.05,5272.71 r90 top value=4.7K
R165 "R" R0402 9667.76,5272.71 r90 top value=4.7K
R166 "R" R0402 10497.51,5229.47 r0 top value=4.7K
R167 "R" R0402 10286.25,5229.47 r0 top value=4.7K
R168 "R" R0402 10075,5229.47 r0 top value=4.7K
R169 "R" R0402 9863.75,5229.47 r0 top value=4.7K
R170 "R" R0402 9652.5,5229.47 r0 top value=4.7K
R171 "R" R0603 9398.68,4412.67 r270 top value=33K
R172 "R" R0603 9187.64,4412.67 r270 top value=33K
R173 "R" R0603 8976.61,4412.67 r270 top value=33K
R174 "R" R0603 8765.57,4412.67 r270 top value=33K
R175 "R" R0603 8554.53,4412.67 r270 top value=33K
R176 "R" R2512 9462.25,5364.81 r270 bottom value=47K
R177 "R" R2512 9250.99,5364.81 r270 bottom value=47K
R178 "R" R2512 9039.73,5364.81 r270 bottom value=47K
R179 "R" R2512 8828.46,5364.81 r270 bottom value=47K
R180 "R" R2512 8617.2,5364.81 r270 bottom value=47K
R181 "R" R0603 9398.61,4526.32 r90 top value=100K
R182 "R" R0603 9187.57,4526.32 r90 top value=100K
R183 "R" R0603 8976.54,4526.32 r90 top value=100K
R184 "R" R0603 8765.5,4526.32 r90 top value=100K
R185 "R" R0603 8554.46,4526.32 r90 top value=100K
R186 "R" R0603 9405.88,4394.18 r90 bottom value=10K
R187 "R" R0603 9194.91,4394.18 r90 bottom value=10K
R188 "R" R0603 8983.94,4394.18 r90 bottom value=10K
R189 "R" R0603 8772.97,4394.18 r90 bottom value=10K
R190 "R" R0603 8562,4394.18 r90 bottom value=10K
R191 "R" R0402 9425.5,5272.67 r90 top value=470
R192 "R" R0402 9214.25,5272.67 r90 top value=470
R193 "R" R0402 9003,5272.67 r90 top value=470
R194 "R" R0402 8791.75,5272.67 r90 top value=470
R195 "R" R0402 8580.5,5272.67 r90 top value=470
R196 "R" R0402 9456.48,5272.71 r90 top value=4.7K
R197 "R" R0402 9245.2,5272.71 r90 top value=4.7K
R198 "R" R0402 9033.92,5272.71 r90 top value=4.7K
R199 "R" R0402 8822.64,5272.71 r90 top value=4.7K
R200 "R" R0402 8611.36,5272.71 r90 top value=4.7K
R201 "R" R0402 9441.25,5229.47 r0 top value=4.7K
R202 "R" R0402 9230,5229.47 r0 top value=4.7K
R203 "R" R0402 9018.75,5229.47 r0 top value=4.7K
R204 "R" R0402 8807.49,5229.47 r0 top value=4.7K
R205 "R" R0402 8596.24,5229.47 r0 top value=4.7K
R206 "R" R0603 8343.5,4412.67 r270 top value=33K
R207 "R" R0603 8132.46,4412.67 r270 top value=33K
R208 "R" R0603 7921.42,4412.67 r270 top value=33K
R209 "R" R0603 7710.38,4412.67 r270 top value=33K
R210 "R" R0603 7499.35,4412.67 r270 top value=33K
R211 "R" R2512 8405.94,5364.81 r270 bottom value=47K
R212 "R" R2512 8194.68,5364.81 r270 bottom value=47K
R213 "R" R2512 7983.41,5364.81 r270 bottom value=47K
R214 "R" R2512 7772.15,5364.81 r270 bottom value=47K
R215 "R" R2512 7560.89,5364.81 r270 bottom value=47K
R216 "R" R0603 8343.42,4526.32 r90 top value=100K
R217 "R" R0603 8132.39,4526.32 r90 top value=100K
R218 "R" R0603 7921.35,4526.32 r90 top value=100K
R219 "R" R0603 7710.31,4526.32 r90 top value=100K
R220 "R" R0603 7499.28,4526.32 r90 top value=100K
R221 "R" R0603 8351.02,4394.18 r90 bottom value=10K
R222 "R" R0603 8140.05,4394.18 r90 bottom value=10K
R223 "R" R0603 7929.08,4394.18 r90 bottom value=10K
R224 "R" R0603 7718.11,4394.18 r90 bottom value=10K
R225 "R" R0603 7507.14,4394.18 r90 bottom value=10K
R226 "R" R0402 8369.24,5272.67 r90 top value=470
R227 "R" R0402 8157.99,5272.67 r90 top value=470
R228 "R" R0402 7946.74,5272.67 r90 top value=470
R229 "R" R0402 7735.49,5272.67 r90 top value=470
R230 "R" R0402 7524.24,5272.67 r90 top value=470
R231 "R" R0402 8400.08,5272.71 r90 top value=4.7K
R232 "R" R0402 8188.8,5272.71 r90 top value=4.7K
R233 "R" R0402 7977.52,5272.71 r90 top value=4.7K
R234 "R" R0402 7766.23,5272.71 r90 top value=4.7K
R235 "R" R0402 7554.95,5272.71 r90 top value=4.7K
R236 "R" R0402 8384.99,5229.47 r0 top value=4.7K
R237 "R" R0402 8173.74,5229.47 r0 top value=4.7K
R238 "R" R0402 7962.49,5229.47 r0 top value=4.7K
R239 "R" R0402 7751.24,5229.47 r0 top value=4.7K
R240 "R" R0402 7539.99,5229.47 r0 top value=4.7K
R241 "R" R0603 7288.31,4412.67 r270 top value=33K
R242 "R" R0603 7077.27,4412.67 r270 top value=33K
R243 "R" R0603 6866.24,4412.67 r270 top value=33K
R244 "R" R0603 6655.2,4412.67 r270 top value=33K
R245 "R" R0603 6444.16,4412.67 r270 top value=33K
R246 "R" R2512 7349.63,5364.81 r270 bottom value=47K
R247 "R" R2512 7138.37,5364.81 r270 bottom value=47K
R248 "R" R2512 6927.1,5364.81 r270 bottom value=47K
R249 "R" R2512 6715.84,5364.81 r270 bottom value=47K
R250 "R" R2512 6504.58,5364.81 r270 bottom value=47K
R251 "R" R0603 7288.24,4526.32 r90 top value=100K
R252 "R" R0603 7077.2,4526.32 r90 top value=100K
R253 "R" R0603 6866.17,4526.32 r90 top value=100K
R254 "R" R0603 6655.13,4526.32 r90 top value=100K
R255 "R" R0603 6444.09,4526.32 r90 top value=100K
R256 "R" R0603 7296.17,4394.18 r90 bottom value=10K
R257 "R" R0603 7085.2,4394.18 r90 bottom value=10K
R258 "R" R0603 6874.23,4394.18 r90 bottom value=10K
R259 "R" R0603 6663.26,4394.18 r90 bottom value=10K
R260 "R" R0603 6452.29,4394.18 r90 bottom value=10K
R261 "R" R0402 7312.99,5272.67 r90 top value=470